# Altium PCB STM32Intf.PcbDoc
Units mm, origin at the board's own origin, x right, y up, seen from the top; angles counter-clockwise.
Board outline 75 x 75 mm, 2 copper layers (Top Layer, Bottom Layer); 52 components, 56 nets, 241 pads, 98 vias.
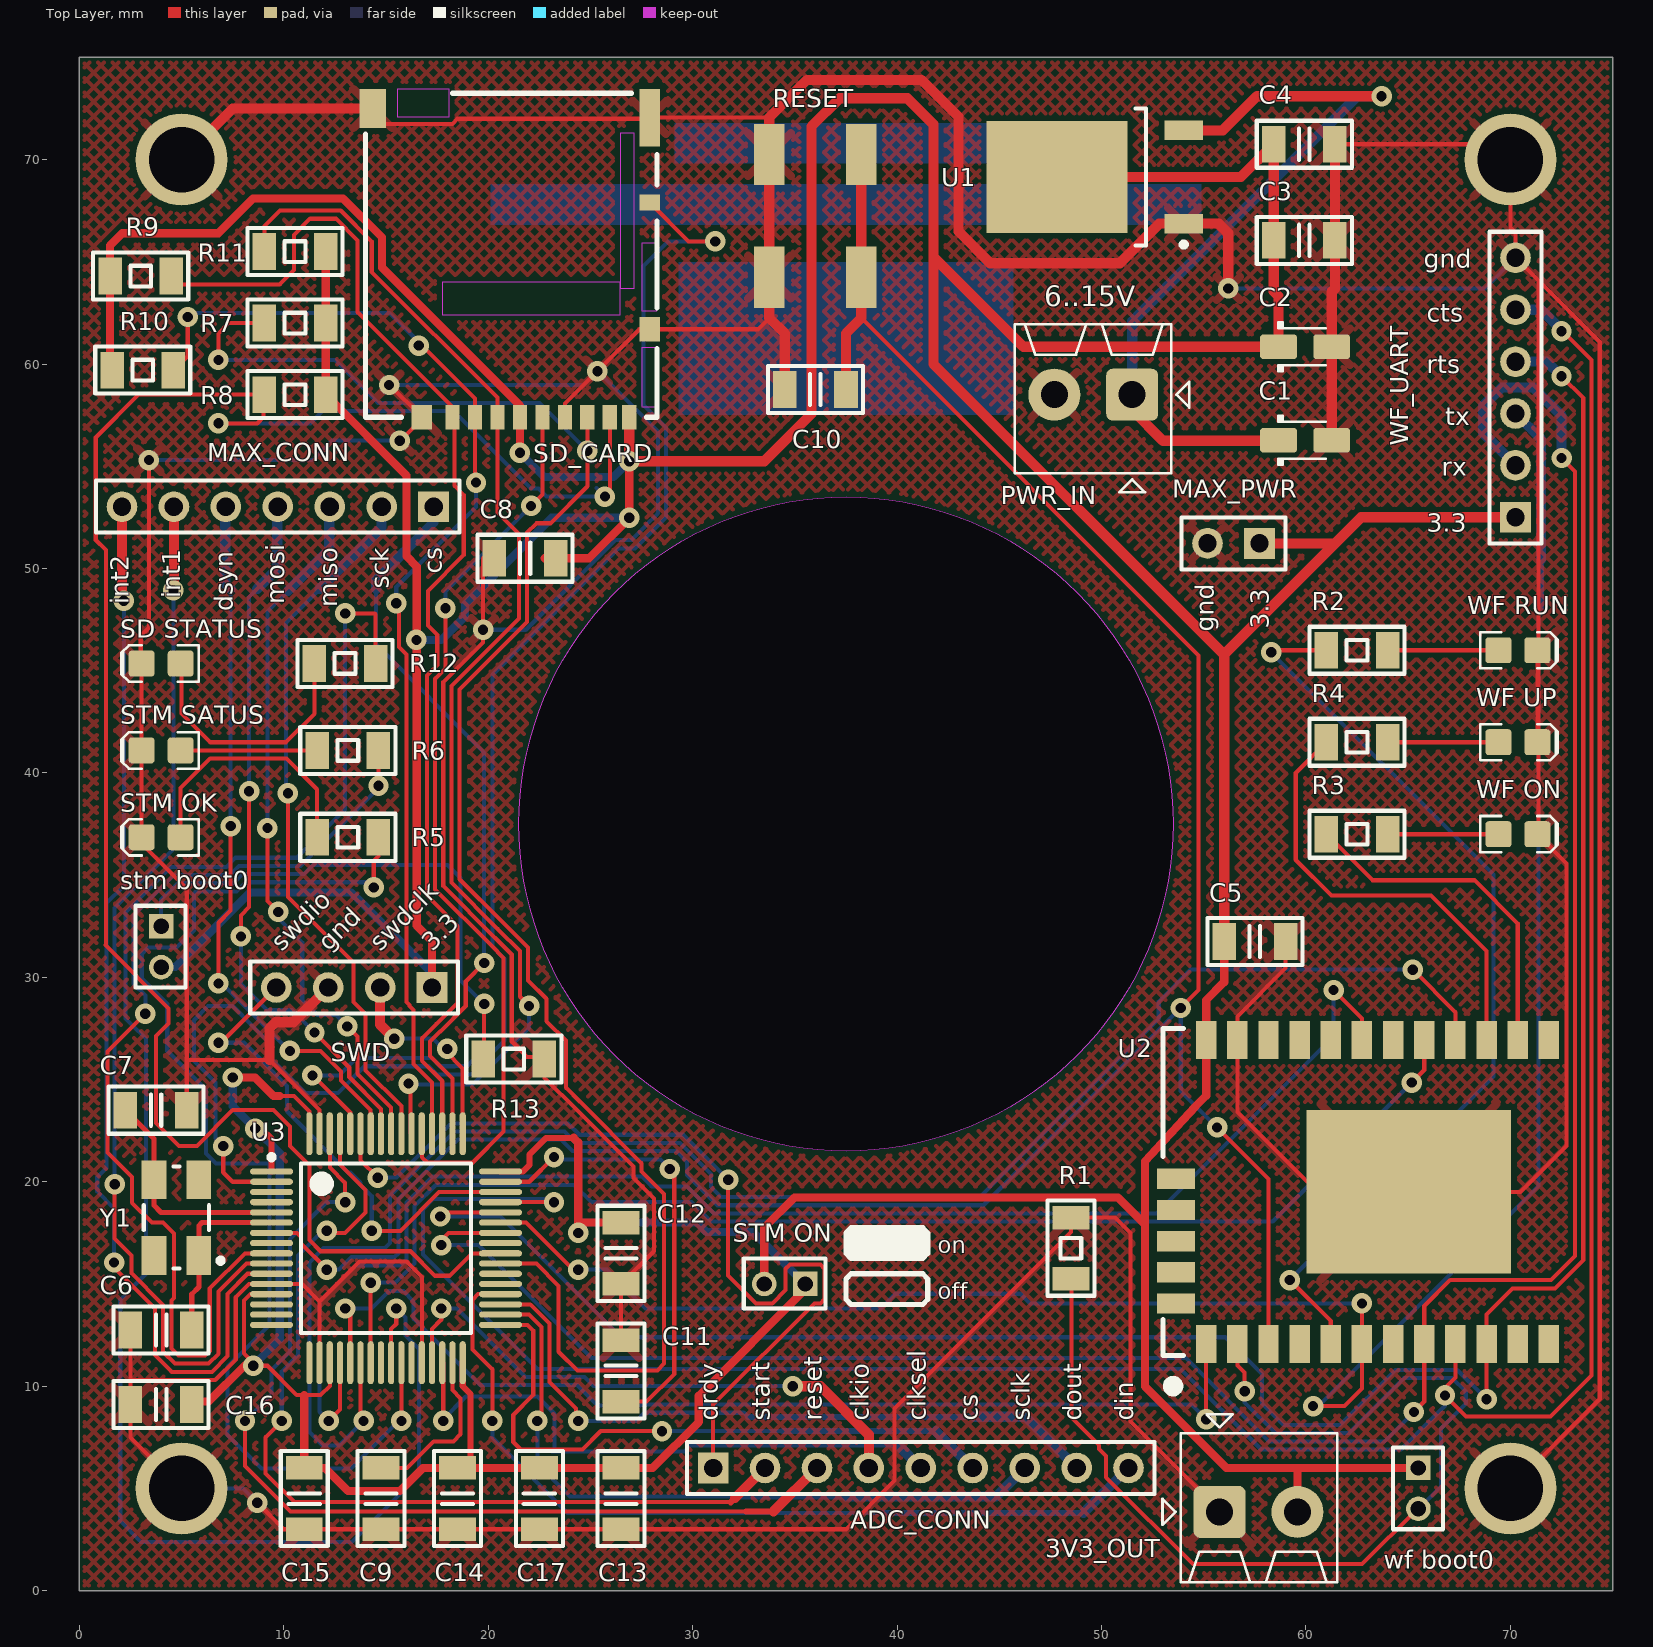
[diagram p0: Top Layer view]
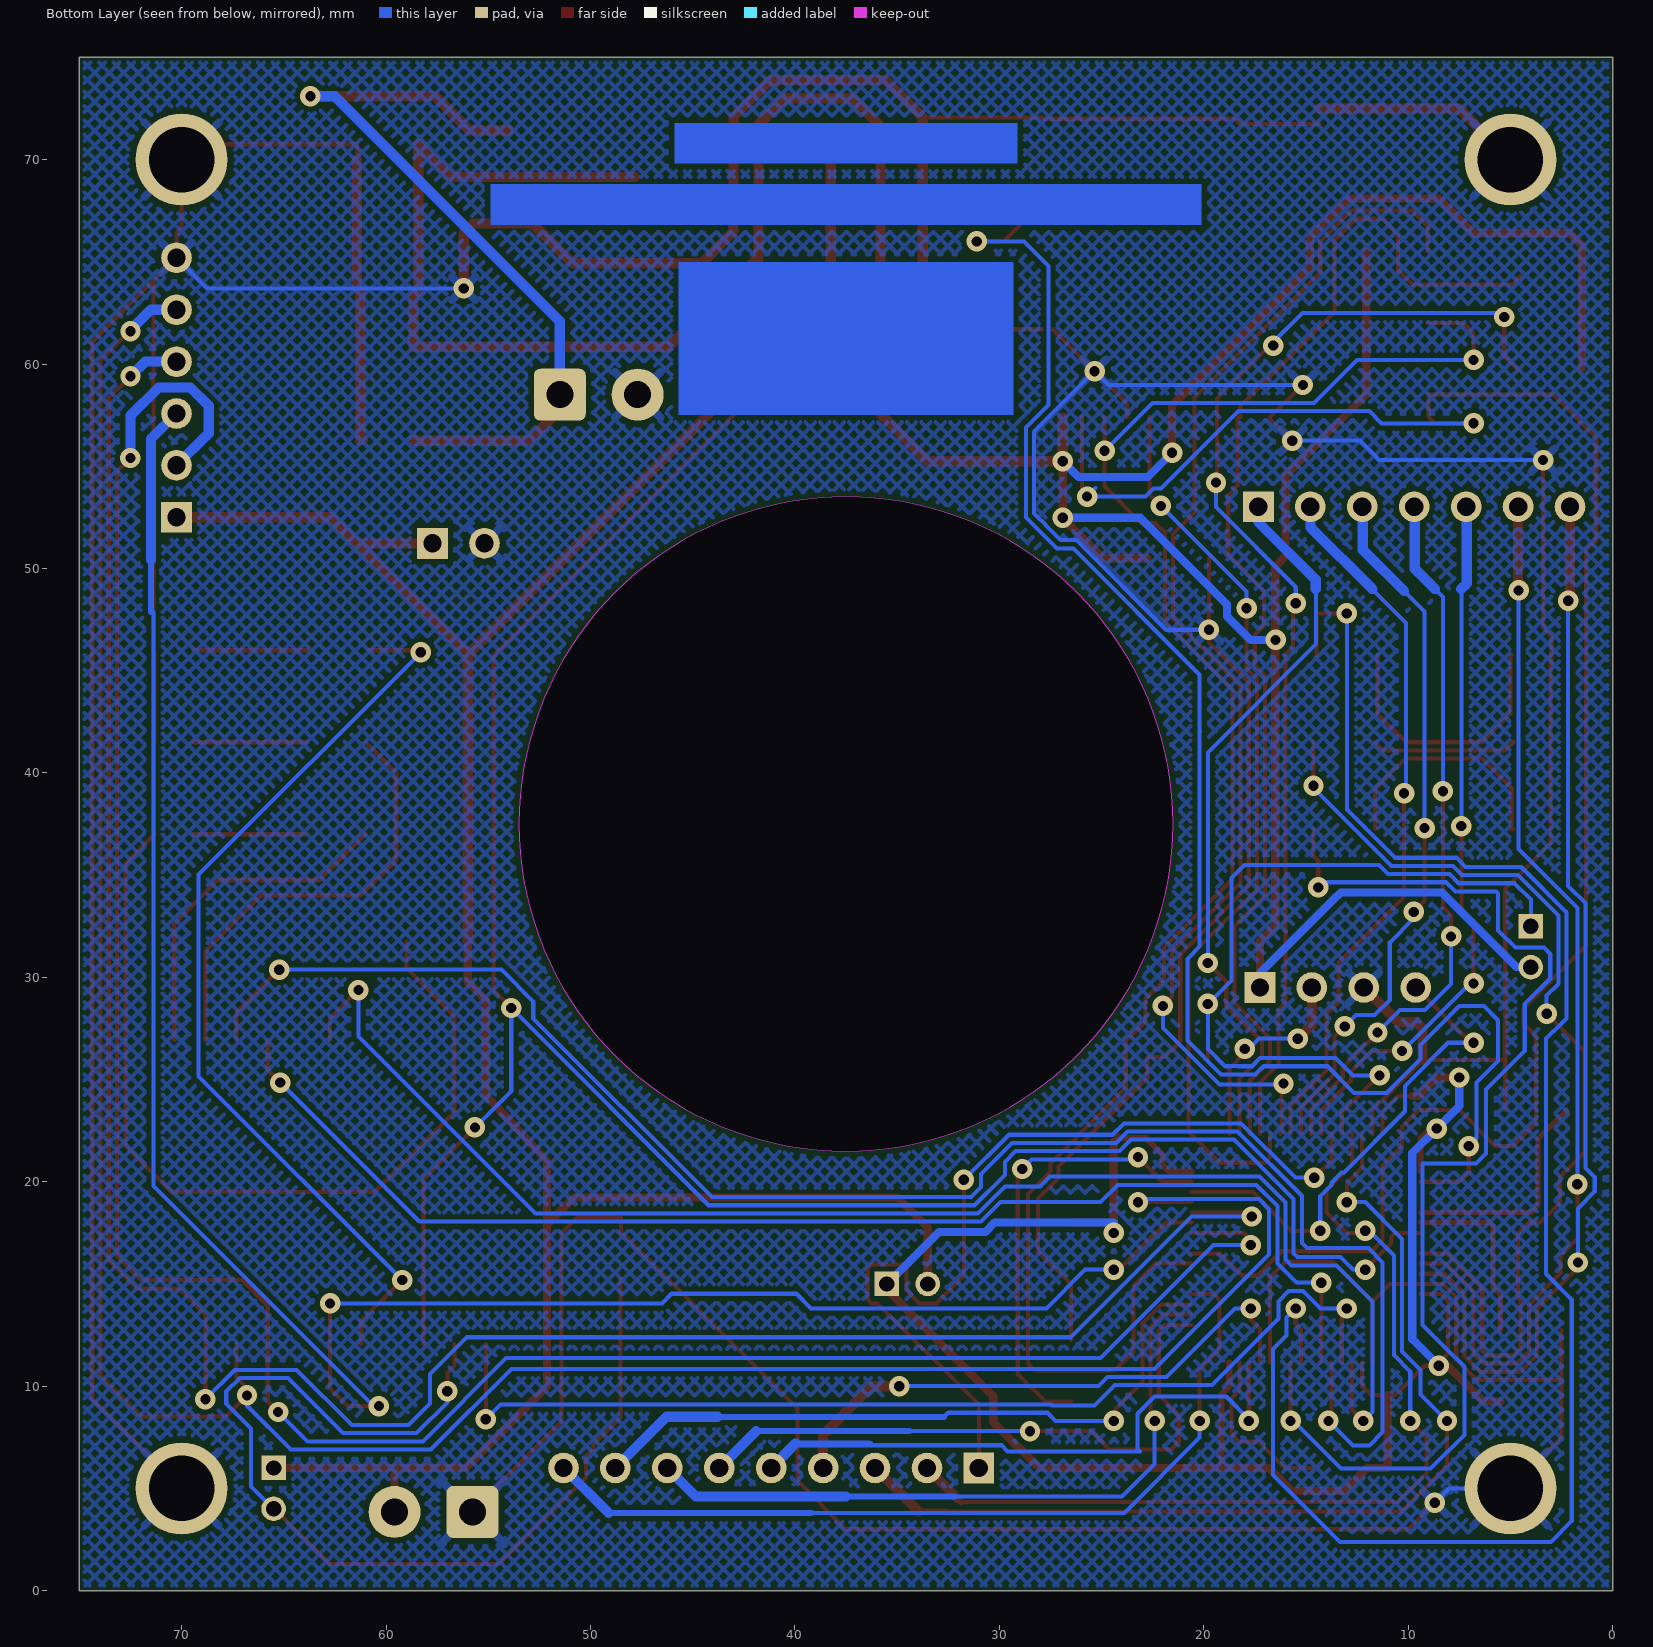
[diagram p1: Bottom Layer view, seen from below]

## Layer stack, top to bottom
Top Solder: solder mask 0.0102, Solder Resist, Dk 3.5
Top Layer: signal copper 0.0356
Dielectric 1: dielectric 0.32, FR-4, Dk 4.8
Bottom Layer: signal copper 0.0356
Bottom Solder: solder mask 0.0102, Solder Resist, Dk 3.5

## Board outline
0,0 0,75 75,75 75,0
cut-out: 37.5,21.5 cw(c37.5,37.5) 21.5,37.5 cw(c37.5,37.5) 37.5,53.5 cw(c37.5,37.5) 53.5,37.5 cw(c37.5,37.5)

## Design rules (kind name [scope] priority, off if disabled: settings)
Clearance [All] p1: gap=0.25 except(0.05: SMDPad-SMDPad; 0.1: SMDPad-Fill; 0.2: Via-Via Track-SMDPad SMDPad-Via Track-Track)
FanoutControl Fanout_BGA [IsBGA] p1 off: bgadir=Out bgaviamode=Centered fanoutstyle=Auto fanoutdirection=Alternating viagrid=0.025 // Fanout_BGA (Default Rule)
FanoutControl Fanout_LCC [IsLCC] p2 off: bgadir=Out bgaviamode=Centered fanoutstyle=Auto fanoutdirection=Alternating viagrid=0.025 // Fanout_LCC (Default Rule)
FanoutControl Fanout_SOIC [IsSOIC] p3 off: bgadir=Out bgaviamode=Centered fanoutstyle=Auto fanoutdirection=Alternating viagrid=0.025 // Fanout_SOIC (Default Rule)
FanoutControl Fanout_Small [(CompPinCount < 5)] p4 off: bgadir=Out bgaviamode=Centered fanoutstyle=Auto fanoutdirection=OutThenIn viagrid=0.025 // Fanout_Small (Default Rule)
FanoutControl Fanout_Default [All] p5 off: bgadir=Out bgaviamode=Centered fanoutstyle=Auto fanoutdirection=Alternating viagrid=0.025 // Fanout_Default (Default Rule)
HoleSize [All] p1: absolutevalues=TRUE maxlimit=10 minlimit=0.025 maxpercent=80.000 minpercent=20.000
PlaneClearance [All] p1: clearance=0.4
PlaneConnect [All] p1: planeconnectstyle=Relief reliefexpansion=0.5 reliefentries=4 reliefconductorwidth=0.4 reliefairgap=0.3
PolygonConnect [All] p1: connectstyle=Relief reliefconductorwidth=0.4 reliefentries=4 polygonreliefangle="45 Angle" airgapwidth=0.3
RoutingCorners [All] p1 off: cornerstyle=45-Degree minsetback=2.54 maxsetback=2.54
RoutingTopology [All] p1 off: topology=Shortest
RoutingVias [All] p1: holewidth=0.5 width=1 viastyle="Through Hole" minholewidth=0.3 minwidth=1 maxholewidth=0.5 maxwidth=1
SMDNeckDown [All] p1: percent=100.000
SilkToSilkClearance [All] p1: silktosilkclearance=0.15
SilkToSolderMaskClearance [IsPad] p1: minsilkscreentomaskgap=0.02 clearancetoexposedcopper=TRUE
SolderMaskExpansion [All] p1: expansion=0.1
UnpouredPolygon [All] p1: allowunpoured=FALSE
Width Width_1 [InNetClass('PWR')] p1: maxlimit=0.6 minlimit=0.2 preferedwidth=0.4
Width [All] p2: maxlimit=0.8 minlimit=0.2 preferedwidth=0.2
17 further rules are at their usual default settings.

## Classes and differential pairs
net class PWR: 3.3VDC NetC12_2
net class STM: C\S\3 CLKIO CLKSEL CS D\R\D\Y\ DIN DOUT DSYNC GND INT1 INT2 MISO3 MOSI3 NetC6_1 NetC7_1 NetC9_1 NetC11_1 NetC12_2 NetR5_2 NetR6_2 NetR12_2 NetR13_1 NetU2_1 NetU2_16 NetU2_17 NetU2_19 NetU3_3 NetU3_4 NetU3_8 NetU3_10 NetU3_11 NetU3_14 NetU3_15 NetU3_16 NetU3_17 NetU3_24 NetU3_27 NetU3_37 NetU3_38 NetU3_41 NetU3_50 NetU3_55 NetU3_56 NetU3_57 NetU3_62 NRESET R\E\S\E\T\ SCK3 SCLK SDIO_CARD_DETECT SDIO_CLK SDIO_CMD SDIO_D0 SDIO_D1 SDIO_D2 SDIO_D3 START SWDCLK SWDIO UART_CTS_WF UART_RTS_WF UART_RX_WF UART_TX_WF

## Components (designator, comment, footprint, x,y, rotation, side; value= is the part's Value field where it differs from the comment)
3V3_OUT "Stackable ScrewTerm" 2P_PCB_ScrewTerm_90S_3.81MM 55.775,3.85 r270 top
ADC_CONN "PLS-9" PLS-9-3D 31,6 r0 top
C1 "10uF" CAPMP3216X180N 59.958,56.273 r0 top
C2 "10uF" CAPMP3216X180N 59.958,60.845 r0 top
C3 "4.7uf" C_1206 59.919,66.052 r0 top
C4 "0.1uF" C_1206 59.919,70.751 r0 top
C5 "0.1uF" C_1206 57.5,31.75 r0 top
C6 "22pF" C_1206 4,12.75 r180 top
C7 "22pF" C_1206 3.75,23.5 r0 top
C8 "0.1uF" C_1206 21.8,50.5 r0 top
C9 "2.2uF" C_1206 14.75,4.5 r270 top
C10 "0.1uF" C_1206 36,58.75 r180 top
C11 "2.2uF" C_1206 26.5,10.75 r90 top
C12 "0.1uF" C_1206 26.5,16.5 r90 top
C13 "0.1uF" C_1206 26.5,4.5 r90 top
C14 "4.7uF" C_1206 18.5,4.5 r90 top
C15 "0.1uF" C_1206 11,4.5 r90 top
C16 "0.1uF" C_1206 4,9.1 r0 top
C17 "0.1uF" C_1206 22.5,4.5 r90 top
MAX_CONN "PLS-7" PLS-7-3D 17.325,53.025 r180 top
MAX_PWR "PLS-2" PLS-2-3D 57.725,51.225 r180 top
PWR_IN "Stackable ScrewTerm" 2P_PCB_ScrewTerm_90S_3.81MM 51.5,58.5 r90 top
R1 "10k" R_1206 48.5,16.75 r90 top
R2 "330" R_1206 62.5,46 r0 top
R3 "330" R_1206 62.5,37 r0 top
R4 "330" R_1206 62.5,41.5 r0 top
R5 "330" R_1206 13.131,36.85 r0 top
R6 "330" R_1206 13.131,41.1 r0 top
R7 "47k" R_1206 10.55,62 r180 top
R8 "47k" R_1206 10.55,58.5 r180 top
R9 "47k" R_1206 3,64.3 r0 top
R10 "47k" R_1206 3.1,59.7 r0 top
R11 "47k" R_1206 10.55,65.5 r180 top
R12 "330" R_1206 12.992,45.358 r0 top
R13 "10k" R_1206 21.25,26 r0 top
RESET "Reset" LTL613 36,67.25 r270 top
"SD STATUS" "Color" LED-0805-K 4,45.35 r180 top
SD_CARD "MICROSD" DM3BT 18.25,58 r180 top
"stm boot0" "PLS2-2" PLS-2-2 4,32.5 r180 top
"STM OK" "Color" LED-0805-K 4,36.85 r180 top
"STM ON" "PLS2-2" PLS-2-2 35.5,15 r90 top
"STM SATUS" "Color" LED-0805-K 4,41.1 r180 top
SWD "PLS-4" PLS-4-3D 17.25,29.5 r180 top
U1 "LM1117IDT-3.3" TD03B_N 49.671,69.149 r180 top
U2 "SPWF01" CAC-152P2158X1524-24N 63.5,19.5 r90 top
U3 "STM32F415RG" LQFP64 15,16.75 r0 top
"wf boot0" "PLS2-2" PLS-2-2 65.5,6 r180 top
"WF ON" "Color" LED-0805-K 70.369,37 r0 top
"WF RUN" "Color" LED-0805-K 70.369,46 r0 top
"WF UP" "Color" LED-0805-K 70.369,41.5 r0 top
WF_UART "PLS-6" PLS-6-3D 70.25,52.5 r90 top
Y1 "16MHz" 05H32 4.75,18.25 r90 top

## Footprints (in the part's own frame and the unit in brackets; to place one, negate y for a bottom-side part, rotate by r counter-clockwise, add the part's x,y. Pads: shape width x height; smd on the part's side, far side on the other; paste and mask are expansions set on the pad)
2P_PCB_ScrewTerm_90S_3.81MM [mil] "TERM BLOCK 2POS SIDE ENT STACKABLE 3.81MM"
  rrect25% 100x100 hole 52: 1(0,0)
  round 100 hole 52: 2(0,150)
  silkscreen extent -188,-110 136,226, body extent -152,-75 136,225, height 335
05H32 [mm] "Surface Mount Quartz Generator; Body 5.0 x 3.2 mm (LxW)"
  rect 1.9x1.2 smd: 1(-1.85,-1.1) 2(1.85,-1.1) 3(1.85,1.1) 4(-1.85,1.1)
  silkscreen extent -2.5,-2.28 2.5,1.6, body extent -2.5,-1.6 2.5,1.6, height 1.22
C_1206 [mm]
  rect 1.15x1.8 smd: 1(-1.5,0) 2(1.5,0)
  silkscreen extent -2.32,-1.15 2.33,1.15, body extent -1.6,-0.8 1.6,0.8, height 1
CAC-152P2158X1524-24N [mm] "Chip Array, Concave, 24-Leads, Pitch 1,52mm,  Body 21,59x15,24mm,  IPC Medium Density"
  rect 1.85x1 smd: 1(-7.435,8.382) 2(-7.435,6.858) 3(-7.435,5.334) 4(-7.435,3.81) 5(-7.435,2.286) 6(-7.435,0.762) 7(-7.435,-0.762) 8(-7.435,-2.286) 9(-7.435,-3.81) 10(-7.435,-5.334) 11(-7.435,-6.858) 12(-7.435,-8.382) 13(7.435,-8.382) 14(7.435,-6.858) 15(7.435,-5.334) 16(7.435,-3.81) 17(7.435,-2.286) 18(7.435,-0.762) 19(7.435,0.762) 20(7.435,2.286) 21(7.435,3.81) 22(7.435,5.334) 23(7.435,6.858) 24(7.435,8.382)
  rect 8x10 smd: 25(0,-1.518)
  rect 1x1.85 smd: 26(0.641,9.852) 27(-0.883,9.852) 28(-2.407,9.852) 29(-3.931,9.852) 30(-5.455,9.852)
  silkscreen extent -9.75,9.5 8,10.5, body extent -7.62,-16.91 7.62,10.01, height 1.51
CAPMP3216X180N [mm] "Capacitor, polarized, Molded Body, EIA 535BAAC size A; 3.20mm L X 1.60mm W X 1.80mm H"
  round 0.508 on Mech15: 0(0,0)
  rrect25% 1.8x1.2 smd: 1(-1.3,0) 2(1.3,0)
  silkscreen extent -1.3,-1.2 1,1.2, body extent -1.6,-0.8 1.6,0.8, height 1.8
DM3BT [mm]
  rect 0.7x1.2 smd: 1(0,0.6) 2(-1.1,0.6) 3(-2.2,0.6) 4(-3.3,0.6) 5(-4.4,0.6) 6(-5.5,0.6) 7(-6.6,0.6) 8(-7.7,0.6) 9(-8.65,0.6)
  rect 1x1.2 smd: 6(-9.65,-3.7) 6(1.5,0.6)
  rect 1x2.8 smd: 6(-9.65,-14.05)
  rect 1.3x1.9 smd: 6(3.9,-14.5)
  rect 1x0.8 smd: 10(-9.65,-9.9)
  Top Layer keep-out region: -10,-7.9 -9.25,-7.9 -9.25,-4.6 -10,-4.6
  Top Layer keep-out region: -10,-2.8 -9.25,-2.8 -9.25,0.1 -10,0.1
  Top Layer keep-out region: -8.2,-6 0.5,-6 0.5,-4.4 -8.2,-4.4
  Top Layer keep-out region: -8.9,-13.3 -8.2,-13.3 -8.2,-5.7 -8.9,-5.7
  Top Layer keep-out region: 0.15,-15.45 2.7,-15.45 2.7,-14.1 0.15,-14.1
  silkscreen extent -10,-15.25 4.25,0.6, body extent -9.75,-15.35 4.1,0.8, height 1.68
LED-0805-K [mil]
  round 20 on Mech15: 0(0,0)
  rrect25% 50x50 smd: A(-37.5,0) K(37.5,0)
  Top Layer pour cut-out: -15,30 15,30 15,-30 -15,-30
  silkscreen extent -72,-35 77,35, body extent -39,-25 39,25, height 31
LQFP64 [mm] "Thin QFP, 64-Leads, Body 10x10mm, Pitch 0.5mm, IPC Low Density"
  oval 2.1x0.3 smd: 1(-5.6,3.75) 2(-5.6,3.25) 3(-5.6,2.75) 4(-5.6,2.25) 5(-5.6,1.75) 6(-5.6,1.25) 7(-5.6,0.75) 8(-5.6,0.25) 9(-5.6,-0.25) 10(-5.6,-0.75) 11(-5.6,-1.25) 12(-5.6,-1.75) 13(-5.6,-2.25) 14(-5.6,-2.75) 15(-5.6,-3.25) 16(-5.6,-3.75) 33(5.6,-3.75) 34(5.6,-3.25) 35(5.6,-2.75) 36(5.6,-2.25) 37(5.6,-1.75) 38(5.6,-1.25) 39(5.6,-0.75) 40(5.6,-0.25) 41(5.6,0.25) 42(5.6,0.75) 43(5.6,1.25) 44(5.6,1.75) 45(5.6,2.25) 46(5.6,2.75) 47(5.6,3.25) 48(5.6,3.75)
  oval 0.3x2.1 smd: 17(-3.75,-5.6) 18(-3.25,-5.6) 19(-2.75,-5.6) 20(-2.25,-5.6) 21(-1.75,-5.6) 22(-1.25,-5.6) 23(-0.75,-5.6) 24(-0.25,-5.6) 25(0.25,-5.6) 26(0.75,-5.6) 27(1.25,-5.6) 28(1.75,-5.6) 29(2.25,-5.6) 30(2.75,-5.6) 31(3.25,-5.6) 32(3.75,-5.6) 49(3.75,5.6) 50(3.25,5.6) 51(2.75,5.6) 52(2.25,5.6) 53(1.75,5.6) 54(1.25,5.6) 55(0.75,5.6) 56(0.25,5.6) 57(-0.25,5.6) 58(-0.75,5.6) 59(-1.25,5.6) 60(-1.75,5.6) 61(-2.25,5.6) 62(-2.75,5.6) 63(-3.25,5.6) 64(-3.75,5.6)
  silkscreen extent -5.72,-4.15 4.15,4.57, body extent -6,-6 6,6, height 1.6
LTL613 [mm]
  rect 3x1.5 smd: 0(-3,-2.25) 0(3,-2.25) 1(-3,2.25) 1(3,2.25)
  body extent -4.04,-3 4.04,3, height 5
PLS-2-2 [mm] "Connector; Header; 1x2 Position"
  rect 1.2x1.2 hole 0.75: 1(0,0)
  round 1.2 hole 0.75: 2(0,2)
  silkscreen extent -1.2,-1 1.25,3, body extent -1.2,-1 1.2,3, height 5.5
PLS-2-3D [mm] "Connector; Header; 2 Position"
  rect 1.5x1.5 hole 0.9: 1(0,0)
  round 1.5 hole 0.9: 2(2.54,0)
  silkscreen extent -1.27,-1.27 3.81,1.27, body extent -1.27,-1.27 3.81,1.27, height 8.44
PLS-4-3D [mm] "Connector; Header; 4 Position"
  rect 1.5x1.5 hole 0.9: 1(0,0)
  round 1.5 hole 0.9: 2(2.54,0) 3(5.08,0) 4(7.62,0)
  silkscreen extent -1.27,-1.27 8.89,1.27, body extent -1.27,-1.27 8.89,1.27, height 8.44
PLS-6-3D [mm] "Connector; Header; 6 Position"
  rect 1.5x1.5 hole 0.9: 1(0,0)
  round 1.5 hole 0.9: 2(2.54,0) 3(5.08,0) 4(7.62,0) 5(10.16,0) 6(12.7,0)
  silkscreen extent -1.27,-1.27 13.97,1.27, body extent -1.27,-1.27 13.97,1.27, height 8.44
PLS-7-3D [mm] "Connector; Header; 7 Position"
  rect 1.5x1.5 hole 0.9: 1(0,0)
  round 1.5 hole 0.9: 2(2.54,0) 3(5.08,0) 4(7.62,0) 5(10.16,0) 6(12.7,0) 7(15.24,0)
  silkscreen extent -1.27,-1.27 16.51,1.27, body extent -1.27,-1.27 16.51,1.27, height 8.44
PLS-9-3D [mm] "Connector; Header; 9 Position"
  rect 1.5x1.5 hole 0.9: 1(0,0)
  round 1.5 hole 0.9: 2(2.54,0) 3(5.08,0) 4(7.62,0) 5(10.16,0) 6(12.7,0) 7(15.24,0) 8(17.78,0) 9(20.32,0)
  silkscreen extent -1.27,-1.27 21.59,1.27, body extent -1.27,-1.27 21.59,1.27, height 8.44
R_1206 [mm]
  rect 1.15x1.8 smd: 1(-1.5,0) 2(1.5,0)
  silkscreen extent -2.32,-1.15 2.33,1.15, body extent -1.6,-0.8 1.6,0.8, height 1
TD03B_N [mm] "D-PAK, 4-Leads, Body 6.1x6.6mm, Pitch 2.29mm, Lead Span 9.7mm, IPC Medium Density"
  rect 1.9x0.95 smd: 1(-4.35,2.28) 3(-4.35,-2.28)
  rect 6.9x5.5 smd: 4(1.85,0)
  silkscreen extent -4.47,-3.35 -2,3.43, body extent -2.5,-3.35 3.7,3.35, height 2.38

## Part data
3V3_OUT PWR_IN: library part 2P_ScrewTerm_90S_3.81MM, "Terminal Block Screw Type THT 2-Position 3.81mm pitch"
ADC_CONN: "Header, 9-Pin"
C1 C2: library part CAP_TANT_TYPE_A, "Capacitor SMD Tantalum 4.7uF 10% 16V 3216-18"
C3 C4 C6 C7: library part C1206, "Capacitor"
C5 C8 C9 C10 C11 C12 C13 C14 C15 C16 C17: library part CAP_SMD_1206, "Capacitor"
MAX_CONN: "Header, 7-Pin"
MAX_PWR "stm boot0" "STM ON" "wf boot0": "Header, 2-Pin"
R1 R2 R3 R4 R5 R6 R7 R8 R9 R10 R11 R12 R13: library part R1206, "Resistor"
RESET: library part Button_tact, "Tact button switch"
"SD STATUS" "STM OK" "STM SATUS" "WF ON" "WF RUN" "WF UP": library part LED_SMD_Green_0805_6mcd, "LED, 0805 SMD, Green"
SD_CARD: "Micro SD connector DM3AT-SF-PEJM5"
SWD: "Header, 4-Pin"
U1: "800mA Low-Dropout Linear Regulator"
U2: "UART-WIFI module"
U3: "ST ARM MC"
WF_UART: "Header, 6-Pin"
Y1: library part Y_H53, "Quartz Generator"

## Free pads (board coordinates)
  round 4.5 hole 3.2: gnd(5,5) gnd(5,70) gnd(70,5) gnd(70,70)

## Via types
v1: diameter 1, hole 0.5, Top Layer to Bottom Layer, tented top, 98 vias
